# KiCad board poly_kb_molecule_16x5.kicad_pcb (continued)
## Routing (per net, layer and track width the routed paths; a pad name or vN(x,y) marks a point on that pad's centre or on a via; arc(x,y) is an arc through that point) (continued)
  Bottom w1.5: J6#53.3 J5#12.3 ; J6#43.3 J5#7.3 ; J6#55.3 J5#11.3 ; J6#49.3 J5#78.3 ; J6#4.3 J5#51.3 ; J6#54.3 J5#20.3 ; J6#72.3 J5#62.3 ; J6#48.3 J5#31.3 ; J6#62.3 J5#68.3 ; J6#14.3 J5#42.3 ; J6#32.3 J5#19.3 ; J6#12.3 J5#80.3 ; J6#25.3 J5#48.3 ; J6#57.3 J5#6.3 ; J6#66.3 J5#28.3 ; J6#52.3 J5#58.3 ; J6#31.3 J5#22.3 ; J6#10.3 J5#66.3 ; J6#44.3 J5#56.3 ; J6#19.3 J5#43.3 ; J6#35.3 J5#61.3 ; J6#68.3 J5#76.3 ; J6#60.3 J5#52.3 ; J6#69.3 J5#13.3 ; J6#67.3 J5#16.3 ; J6#73.3 J5#30.3 ; J6#22.3 J5#47.3 ; J6#23.3 J5#29.3 ; J6#28.3 J5#10.3 ; J6#33.3 J5#18.3 ; J6#58.3 J5#55.3 ; J6#27.3 J5#23.3 ; J6#61.3 J5#14.3 ; J6#17.3 J5#70.3 ; J6#29.3 J5#41.3 ; J6#59.3 J5#21.3 ; J6#16.3 J5#2.3 ; J6#40.3 J5#73.3 ; J6#2.3 J5#24.3 ; J6#74.3 J5#77.3 ; J6#51.3 J5#50.3 ; J6#37.3 J5#79.3 ; J6#46.3 J5#39.3 ; J6#65.3 J5#32.3 ; J6#64.3 J5#15.3 ; J6#38.3 J5#45.3 ; J6#11.3 J5#26.3 ; J6#30.3 J5#59.3 ; J6#70.3 J5#27.3 ; J6#36.3 J5#17.3 ; J6#26.3 J5#46.3 ; J6.3 J5#65.3 ; J6#42.3 J5#64.3 ; J6#45.3 J5#36.3 ; J6#6.3 J5#3.3 ; J6#63.3 J5#71.3 ; J6#7.3 J5#35.3 ; J6#5.3 J5#60.3 ; J6#20.3 J5#8.3 ; J6#24.3 J5#63.3 ; J6#39.3 J5#49.3 ; J6#3.3 J5#69.3 ; J6#75.3 J5#38.3 ; J6#41.3 J5#75.3 ; J6#50.3 J5#54.3 ; J6#47.3 J5#37.3 ; J6#13.3 J5#44.3 ; J6#18.3 J5#74.3 ; J6#56.3 J5#9.3 ; J6#71.3 J5#33.3
CS3: length 1522.6
  Top w0.254: v1(116.87,11.71) 117.37,12.21 120.26,12.21 120.35,12.3 122.27,12.3 123.4,11.16 124.97,11.16 125.46,10.67 129.87,10.67 v1(130.2,11) ; v1(97.82,87.91) 98.32,88.41 101.21,88.41 101.3,88.5 103.22,88.5 104.35,87.36 105.92,87.36 106.41,86.87 110.82,86.87 v1(111.15,87.2) ; v1(206.4,68.15) 206.07,67.82 201.66,67.82 201.17,68.31 199.6,68.31 198.47,69.45 196.55,69.45 196.46,69.36 193.57,69.36 v1(193.07,68.86) ; v1(301.65,11) 301.32,10.67 296.91,10.67 296.42,11.16 294.85,11.16 293.72,12.3 291.8,12.3 291.71,12.21 288.82,12.21 v1(288.32,11.71) ; v1(59.72,49.81) 60.22,50.31 63.11,50.31 63.2,50.4 65.12,50.4 66.25,49.26 67.82,49.26 68.31,48.77 72.72,48.77 v1(73.05,49.1) ; v1(116.87,30.76) 117.37,31.26 120.26,31.26 120.35,31.35 122.27,31.35 123.4,30.21 124.97,30.21 125.46,29.72 129.87,29.72 v1(130.2,30.05) ; v1(59.72,87.91) 60.22,88.41 63.11,88.41 63.2,88.5 65.12,88.5 66.25,87.36 67.82,87.36 68.31,86.87 72.72,86.87 v1(73.05,87.2) ; v1(154.97,11.71) 155.47,12.21 158.36,12.21 158.45,12.3 160.37,12.3 161.5,11.16 163.07,11.16 163.56,10.67 167.97,10.67 v1(168.3,11) ; v1(206.4,49.1) 206.07,48.77 201.66,48.77 201.17,49.26 199.6,49.26 198.47,50.4 196.55,50.4 196.46,50.31 193.57,50.31 v1(193.07,49.81) ; v1(288.32,30.76) 288.82,31.26 291.71,31.26 291.8,31.35 293.72,31.35 294.85,30.21 296.42,30.21 296.91,29.72 301.32,29.72 v1(301.65,30.05) ; v1(174.02,87.91) 174.52,88.41 177.41,88.41 177.5,88.5 179.42,88.5 180.55,87.36 182.12,87.36 182.61,86.87 187.02,86.87 v1(187.35,87.2) ; v1(206.4,11) 206.07,10.67 201.66,10.67 201.17,11.16 199.6,11.16 198.47,12.3 196.55,12.3 196.46,12.21 193.57,12.21 v1(193.07,11.71) ; v1(15.9,49.1) 15.57,48.77 11.16,48.77 10.67,49.26 9.1,49.26 7.97,50.4 6.05,50.4 5.96,50.31 3.07,50.31 v1(2.57,49.81) ; v1(168.3,30.05) 167.97,29.72 163.56,29.72 163.07,30.21 161.5,30.21 160.37,31.35 158.45,31.35 158.36,31.26 155.47,31.26 v1(154.97,30.76) ; v1(34.95,87.2) 34.62,86.87 30.21,86.87 29.72,87.36 28.15,87.36 27.02,88.5 25.1,88.5 25.01,88.41 22.12,88.41 v1(21.62,87.91) ; v1(250.22,49.81) 250.72,50.31 253.61,50.31 253.7,50.4 255.62,50.4 256.75,49.26 258.32,49.26 258.81,48.77 263.22,48.77 v1(263.55,49.1) ; v1(250.22,30.76) 250.72,31.26 253.61,31.26 253.7,31.35 255.62,31.35 256.75,30.21 258.32,30.21 258.81,29.72 263.22,29.72 v1(263.55,30.05) ; v1(231.17,30.76) 231.67,31.26 234.56,31.26 234.65,31.35 236.57,31.35 237.7,30.21 239.27,30.21 239.76,29.72 244.17,29.72 v1(244.5,30.05) ; v1(225.45,87.2) 225.12,86.87 220.71,86.87 220.22,87.36 218.65,87.36 217.52,88.5 215.6,88.5 215.51,88.41 212.62,88.41 v1(212.12,87.91) ; v1(34.95,49.1) 34.62,48.77 30.21,48.77 29.72,49.26 28.15,49.26 27.02,50.4 25.1,50.4 25.01,50.31 22.12,50.31 v1(21.62,49.81) ; v1(15.9,68.15) 15.57,67.82 11.16,67.82 10.67,68.31 9.1,68.31 7.97,69.45 6.05,69.45 5.96,69.36 3.07,69.36 v1(2.57,68.86) ; v1(269.27,68.86) 269.77,69.36 272.66,69.36 272.75,69.45 274.67,69.45 275.8,68.31 277.37,68.31 277.86,67.82 282.27,67.82 v1(282.6,68.15) ; v1(34.95,68.15) 34.62,67.82 30.21,67.82 29.72,68.31 28.15,68.31 27.02,69.45 25.1,69.45 25.01,69.36 22.12,69.36 v1(21.62,68.86) ; v1(212.12,11.71) 212.62,12.21 215.51,12.21 215.6,12.3 217.52,12.3 218.65,11.16 220.22,11.16 220.71,10.67 225.12,10.67 v1(225.45,11) ; v1(187.35,11) 187.02,10.67 182.61,10.67 182.12,11.16 180.55,11.16 179.42,12.3 177.5,12.3 177.41,12.21 174.52,12.21 v1(174.02,11.71) ; v1(263.55,68.15) 263.22,67.82 258.81,67.82 258.32,68.31 256.75,68.31 255.62,69.45 253.7,69.45 253.61,69.36 250.72,69.36 v1(250.22,68.86) ; v1(301.65,49.1) 301.32,48.77 296.91,48.77 296.42,49.26 294.85,49.26 293.72,50.4 291.8,50.4 291.71,50.31 288.82,50.31 v1(288.32,49.81) ; v1(231.17,11.71) 231.67,12.21 234.56,12.21 234.65,12.3 236.57,12.3 237.7,11.16 239.27,11.16 239.76,10.67 244.17,10.67 v1(244.5,11) ; v1(212.12,68.86) 212.62,69.36 215.51,69.36 215.6,69.45 217.52,69.45 218.65,68.31 220.22,68.31 220.71,67.82 225.12,67.82 v1(225.45,68.15) ; v1(130.2,87.2) 129.87,86.87 125.46,86.87 124.97,87.36 123.4,87.36 122.27,88.5 120.35,88.5 120.26,88.41 117.37,88.41 v1(116.87,87.91) ; v1(288.32,87.91) 288.82,88.41 291.71,88.41 291.8,88.5 293.72,88.5 294.85,87.36 296.42,87.36 296.91,86.87 301.32,86.87 v1(301.65,87.2) ; v1(40.67,30.76) 41.17,31.26 44.06,31.26 44.15,31.35 46.07,31.35 47.2,30.21 48.77,30.21 49.26,29.72 53.67,29.72 v1(54,30.05) ; v1(116.87,49.81) 117.37,50.31 120.26,50.31 120.35,50.4 122.27,50.4 123.4,49.26 124.97,49.26 125.46,48.77 129.87,48.77 v1(130.2,49.1) ; v1(206.4,30.05) 206.07,29.72 201.66,29.72 201.17,30.21 199.6,30.21 198.47,31.35 196.55,31.35 196.46,31.26 193.57,31.26 v1(193.07,30.76) ; v1(54,11) 53.67,10.67 49.26,10.67 48.77,11.16 47.2,11.16 46.07,12.3 44.15,12.3 44.06,12.21 41.17,12.21 v1(40.67,11.71) ; v1(73.05,11) 72.72,10.67 68.31,10.67 67.82,11.16 66.25,11.16 65.12,12.3 63.2,12.3 63.11,12.21 60.22,12.21 v1(59.72,11.71) ; v1(174.02,30.76) 174.52,31.26 177.41,31.26 177.5,31.35 179.42,31.35 180.55,30.21 182.12,30.21 182.61,29.72 187.02,29.72 v1(187.35,30.05) ; v1(282.6,11) 282.27,10.67 277.86,10.67 277.37,11.16 275.8,11.16 274.67,12.3 272.75,12.3 272.66,12.21 269.77,12.21 v1(269.27,11.71) ; v1(301.65,68.15) 301.32,67.82 296.91,67.82 296.42,68.31 294.85,68.31 293.72,69.45 291.8,69.45 291.71,69.36 288.82,69.36 v1(288.32,68.86) ; v1(40.67,68.86) 41.17,69.36 44.06,69.36 44.15,69.45 46.07,69.45 47.2,68.31 48.77,68.31 49.26,67.82 53.67,67.82 v1(54,68.15) ; v1(168.3,87.2) 167.97,86.87 163.56,86.87 163.07,87.36 161.5,87.36 160.37,88.5 158.45,88.5 158.36,88.41 155.47,88.41 v1(154.97,87.91) ; v1(269.27,49.81) 269.77,50.31 272.66,50.31 272.75,50.4 274.67,50.4 275.8,49.26 277.37,49.26 277.86,48.77 282.27,48.77 v1(282.6,49.1) ; v1(111.15,11) 110.82,10.67 106.41,10.67 105.92,11.16 104.35,11.16 103.22,12.3 101.3,12.3 101.21,12.21 98.32,12.21 v1(97.82,11.71) ; v1(269.27,30.76) 269.77,31.26 272.66,31.26 272.75,31.35 274.67,31.35 275.8,30.21 277.37,30.21 277.86,29.72 282.27,29.72 v1(282.6,30.05) ; v1(206.4,87.2) 206.07,86.87 201.66,86.87 201.17,87.36 199.6,87.36 198.47,88.5 196.55,88.5 196.46,88.41 193.57,88.41 v1(193.07,87.91) ; v1(111.15,30.05) 110.82,29.72 106.41,29.72 105.92,30.21 104.35,30.21 103.22,31.35 101.3,31.35 101.21,31.26 98.32,31.26 v1(97.82,30.76) ; v1(97.82,68.86) 98.32,69.36 101.21,69.36 101.3,69.45 103.22,69.45 104.35,68.31 105.92,68.31 106.41,67.82 110.82,67.82 v1(111.15,68.15) ; v1(92.1,30.05) 91.77,29.72 87.36,29.72 86.87,30.21 85.3,30.21 84.17,31.35 82.25,31.35 82.16,31.26 79.27,31.26 v1(78.77,30.76) ; v1(174.02,68.86) 174.52,69.36 177.41,69.36 177.5,69.45 179.42,69.45 180.55,68.31 182.12,68.31 182.61,67.82 187.02,67.82 v1(187.35,68.15) ; v1(174.02,49.81) 174.52,50.31 177.41,50.31 177.5,50.4 179.42,50.4 180.55,49.26 182.12,49.26 182.61,48.77 187.02,48.77 v1(187.35,49.1) ; v1(269.27,87.91) 269.77,88.41 272.66,88.41 272.75,88.5 274.67,88.5 275.8,87.36 277.37,87.36 277.86,86.87 282.27,86.87 v1(282.6,87.2) ; v1(78.77,49.81) 79.27,50.31 82.16,50.31 82.25,50.4 84.17,50.4 85.3,49.26 86.87,49.26 87.36,48.77 91.77,48.77 v1(92.1,49.1) ; v1(78.77,87.91) 79.27,88.41 82.16,88.41 82.25,88.5 84.17,88.5 85.3,87.36 86.87,87.36 87.36,86.87 91.77,86.87 v1(92.1,87.2) ; v1(73.05,30.05) 72.72,29.72 68.31,29.72 67.82,30.21 66.25,30.21 65.12,31.35 63.2,31.35 63.11,31.26 60.22,31.26 v1(59.72,30.76) ; v1(40.67,87.91) 41.17,88.41 44.06,88.41 44.15,88.5 46.07,88.5 47.2,87.36 48.77,87.36 49.26,86.87 53.67,86.87 v1(54,87.2) ; v1(225.45,30.05) 225.12,29.72 220.71,29.72 220.22,30.21 218.65,30.21 217.52,31.35 215.6,31.35 215.51,31.26 212.62,31.26 v1(212.12,30.76) ; v1(34.95,30.05) 34.62,29.72 30.21,29.72 29.72,30.21 28.15,30.21 27.02,31.35 25.1,31.35 25.01,31.26 22.12,31.26 v1(21.62,30.76) ; v1(73.05,68.15) 72.72,67.82 68.31,67.82 67.82,68.31 66.25,68.31 65.12,69.45 63.2,69.45 63.11,69.36 60.22,69.36 v1(59.72,68.86) ; v1(78.77,68.86) 79.27,69.36 82.16,69.36 82.25,69.45 84.17,69.45 85.3,68.31 86.87,68.31 87.36,67.82 91.77,67.82 v1(92.1,68.15) ; v1(2.57,11.71) 3.07,12.21 5.96,12.21 6.05,12.3 7.97,12.3 9.1,11.16 10.67,11.16 11.16,10.67 15.57,10.67 v1(15.9,11) ; v1(15.9,87.2) 15.57,86.87 11.16,86.87 10.67,87.36 9.1,87.36 7.97,88.5 6.05,88.5 5.96,88.41 3.07,88.41 v1(2.57,87.91) ; v1(168.3,49.1) 167.97,48.77 163.56,48.77 163.07,49.26 161.5,49.26 160.37,50.4 158.45,50.4 158.36,50.31 155.47,50.31 v1(154.97,49.81) ; v1(231.17,49.81) 231.67,50.31 234.56,50.31 234.65,50.4 236.57,50.4 237.7,49.26 239.27,49.26 239.76,48.77 244.17,48.77 v1(244.5,49.1) ; v1(21.62,11.71) 22.12,12.21 25.01,12.21 25.1,12.3 27.02,12.3 28.15,11.16 29.72,11.16 30.21,10.67 34.62,10.67 v1(34.95,11) ; v1(154.97,68.86) 155.47,69.36 158.36,69.36 158.45,69.45 160.37,69.45 161.5,68.31 163.07,68.31 163.56,67.82 167.97,67.82 v1(168.3,68.15) ; v1(225.45,49.1) 225.12,48.77 220.71,48.77 220.22,49.26 218.65,49.26 217.52,50.4 215.6,50.4 215.51,50.31 212.62,50.31 v1(212.12,49.81) ; v1(15.9,30.05) 15.57,29.72 11.16,29.72 10.67,30.21 9.1,30.21 7.97,31.35 6.05,31.35 5.96,31.26 3.07,31.26 v1(2.57,30.76) ; v1(130.2,68.15) 129.87,67.82 125.46,67.82 124.97,68.31 123.4,68.31 122.27,69.45 120.35,69.45 120.26,69.36 117.37,69.36 v1(116.87,68.86) ; v1(97.82,49.81) 98.32,50.31 101.21,50.31 101.3,50.4 103.22,50.4 104.35,49.26 105.92,49.26 106.41,48.77 110.82,48.77 v1(111.15,49.1) ; v1(54,49.1) 53.67,48.77 49.26,48.77 48.77,49.26 47.2,49.26 46.07,50.4 44.15,50.4 44.06,50.31 41.17,50.31 v1(40.67,49.81) ; v1(250.22,11.71) 250.72,12.21 253.61,12.21 253.7,12.3 255.62,12.3 256.75,11.16 258.32,11.16 258.81,10.67 263.22,10.67 v1(263.55,11) ; v1(231.17,68.86) 231.67,69.36 234.56,69.36 234.65,69.45 236.57,69.45 237.7,68.31 239.27,68.31 239.76,67.82 244.17,67.82 v1(244.5,68.15) ; v1(263.55,87.2) 263.22,86.87 258.81,86.87 258.32,87.36 256.75,87.36 255.62,88.5 253.7,88.5 253.61,88.41 250.72,88.41 v1(250.22,87.91) ; v1(92.1,11) 91.77,10.67 87.36,10.67 86.87,11.16 85.3,11.16 84.17,12.3 82.25,12.3 82.16,12.21 79.27,12.21 v1(78.77,11.71) ; v1(244.5,87.2) 244.17,86.87 239.76,86.87 239.27,87.36 237.7,87.36 236.57,88.5 234.65,88.5 234.56,88.41 231.67,88.41 v1(231.17,87.91)
  Bottom w0.254: v1(206.4,49.1) 207.75,49.1 208.28,49.62 ; v1(174.02,87.91) 173.83,87.91 173.58,88.15 172.4,88.15 J5#43.4 ; 246.38,49.62 245.85,49.1 v1(244.5,49.1) ; J5#75.4 210.5,69.1 211.68,69.1 211.93,68.86 v1(212.12,68.86) ; 74.93,68.67 74.4,68.15 v1(73.05,68.15) ; 227.33,11.53 226.8,11 v1(225.45,11) ; J5#8.4 20,50.05 21.18,50.05 21.43,49.81 v1(21.62,49.81) ; v1(21.62,68.86) 21.43,68.86 21.18,69.1 20,69.1 J5#38.4 ; J5#80.4 191.45,50.05 192.63,50.05 192.88,49.81 v1(193.07,49.81) ; 189.23,68.67 188.7,68.15 v1(187.35,68.15) ; v1(59.72,11.71) 59.53,11.71 59.28,11.95 58.1,11.95 J5#9.4 ; v1(301.65,49.1) 303,49.1 303.53,49.62 ; v1(92.1,87.2) 93.45,87.2 93.98,87.72 ; v1(54,49.1) 55.35,49.1 55.88,49.62 ; v1(40.67,68.86) 40.48,68.86 40.23,69.1 39.05,69.1 J5#69.4 ; J5#11.4 77.15,11.95 78.33,11.95 78.58,11.71 v1(78.77,11.71) ; 265.43,68.67 264.9,68.15 v1(263.55,68.15) ; v1(168.3,87.2) 169.65,87.2 170.18,87.72 ; v1(97.82,30.76) 97.63,30.76 97.38,31 96.2,31 J5#30.4 ; v1(250.22,49.81) 250.03,49.81 249.78,50.05 248.6,50.05 J5#49.4 ; 284.48,11.53 283.95,11 v1(282.6,11) ; J5#36.4 248.6,69.1 249.78,69.1 250.03,68.86 v1(250.22,68.86) ; v1(97.82,11.71) 97.63,11.71 97.38,11.95 96.2,11.95 J5#12.4 ; v1(59.72,87.91) 59.53,87.91 59.28,88.15 58.1,88.15 J5#56.4 ; 55.88,11.53 55.35,11 v1(54,11) ; 132.08,68.67 131.55,68.15 v1(130.2,68.15) ; 113.03,68.67 112.5,68.15 v1(111.15,68.15) ; v1(187.35,49.1) 188.7,49.1 189.23,49.62 ; J5#44.4 172.4,50.05 173.58,50.05 173.83,49.81 v1(174.02,49.81) ; v1(263.55,87.2) 264.9,87.2 265.43,87.72 ; v1(212.12,11.71) 211.93,11.71 211.68,11.95 210.5,11.95 J5#42.4 ; 17.78,87.72 17.25,87.2 v1(15.9,87.2) ; v1(111.15,30.05) 112.5,30.05 113.03,30.58 ; v1(174.02,68.86) 173.83,68.86 173.58,69.1 172.4,69.1 J5#60.4 ; J5#41.4 248.6,31 249.78,31 250.03,30.76 v1(250.22,30.76) ; v1(130.2,30.05) 131.55,30.05 132.08,30.58 ; v1(282.6,68.15) 283.95,68.15 284.48,68.67 ; 17.78,11.53 17.25,11 v1(15.9,11) ; 36.83,30.58 36.3,30.05 v1(34.95,30.05) ; v1(154.97,30.76) 154.78,30.76 154.53,31 153.35,31 J5#4.4 ; v1(78.77,30.76) 78.58,30.76 78.33,31 77.15,31 J5#23.4 ; v1(111.15,87.2) 112.5,87.2 113.03,87.72 ; v1(54,68.15) 55.35,68.15 55.88,68.67 ; v1(250.22,87.91) 250.03,87.91 249.78,88.15 248.6,88.15 J5#58.4 ; v1(168.3,68.15) 169.65,68.15 170.18,68.67 ; v1(40.67,30.76) 40.48,30.76 40.23,31 39.05,31 J5#77.4 ; 265.43,30.58 264.9,30.05 v1(263.55,30.05) ; 284.48,30.58 283.95,30.05 v1(282.6,30.05) ; J5#29.4 77.15,69.1 78.33,69.1 78.58,68.86 v1(78.77,68.86) ; J5#13.4 267.65,11.95 268.83,11.95 269.08,11.71 v1(269.27,11.71) ; v1(288.32,30.76) 288.13,30.76 287.88,31 286.7,31 J5#7.4 ; v1(187.35,30.05) 188.7,30.05 189.23,30.58 ; v1(15.9,30.05) 17.25,30.05 17.78,30.58 ; v1(288.32,11.71) 288.13,11.71 287.88,11.95 286.7,11.95 J5#16.4 ; v1(97.82,49.81) 97.63,49.81 97.38,50.05 96.2,50.05 J5#28.4 ; J5#55.4 210.5,31 211.68,31 211.93,30.76 v1(212.12,30.76) ; v1(2.57,49.81) 2.38,49.81 2.13,50.05 0.95,50.05 J5#67.4 ; v1(116.87,49.81) 116.68,49.81 116.43,50.05 115.25,50.05 J5#18.4 ; v1(2.57,11.71) 2.38,11.71 2.13,11.95 0.95,11.95 J5#40.4 ; v1(154.97,49.81) 154.78,49.81 154.53,50.05 153.35,50.05 J5#72.4 ; v1(231.17,49.81) 230.98,49.81 230.73,50.05 229.55,50.05 J5#2.4 ; v1(288.32,68.86) 288.13,68.86 287.88,69.1 286.7,69.1 J5#70.4 ; 93.98,68.67 93.45,68.15 v1(92.1,68.15) ; J5#33.4 286.7,50.05 287.88,50.05 288.13,49.81 v1(288.32,49.81) ; 265.43,11.53 264.9,11 v1(263.55,11) ; v1(40.67,87.91) 40.48,87.91 40.23,88.15 39.05,88.15 J5#3.4 ; v1(187.35,11) 188.7,11 189.23,11.53 ; J5#21.4 58.1,69.1 59.28,69.1 59.53,68.86 v1(59.72,68.86) ; 227.33,68.67 226.8,68.15 v1(225.45,68.15) ; v1(97.82,68.86) 97.63,68.86 97.38,69.1 96.2,69.1 J5#48.4 ; v1(282.6,87.2) 283.95,87.2 284.48,87.72 ; 74.93,87.72 74.4,87.2 v1(73.05,87.2) ; v1(78.77,87.91) 78.58,87.91 78.33,88.15 77.15,88.15 J5#22.4 ; v1(111.15,49.1) 112.5,49.1 113.03,49.62 ; v1(2.57,68.86) 2.38,68.86 2.13,69.1 0.95,69.1 J5#53.4 ; 17.78,68.67 17.25,68.15 v1(15.9,68.15) ; v1(231.17,68.86) 230.98,68.86 230.73,69.1 229.55,69.1 J5#59.4 ; v1(154.97,87.91) 154.78,87.91 154.53,88.15 153.35,88.15 J5#34.4 ; J5#24.4 267.65,31 268.83,31 269.08,30.76 v1(269.27,30.76) ; 93.98,11.53 93.45,11 v1(92.1,11) ; 36.83,49.62 36.3,49.1 v1(34.95,49.1) ; v1(174.02,30.76) 173.83,30.76 173.58,31 172.4,31 J5#19.4 ; v1(250.22,11.71) 250.03,11.71 249.78,11.95 248.6,11.95 J5#17.4 ; 227.33,30.58 226.8,30.05 v1(225.45,30.05) ; J5#50.4 77.15,50.05 78.33,50.05 78.58,49.81 v1(78.77,49.81) ; v1(92.1,30.05) 93.45,30.05 93.98,30.58 ; 36.83,87.72 36.3,87.2 v1(34.95,87.2) ; J5#54.4 229.55,88.15 230.73,88.15 230.98,87.91 v1(231.17,87.91) ; v1(168.3,11) 169.65,11 170.18,11.53 ; 74.93,49.62 74.4,49.1 v1(73.05,49.1) ; v1(54,87.2) 55.35,87.2 55.88,87.72 ; v1(206.4,68.15) 207.75,68.15 208.28,68.67 ; J5#26.4 191.45,88.15 192.63,88.15 192.88,87.91 v1(193.07,87.91) ; v1(212.12,49.81) 211.93,49.81 211.68,50.05 210.5,50.05 J5#79.4 ; v1(244.5,30.05) 245.85,30.05 246.38,30.58 ; 170.18,49.62 169.65,49.1 v1(168.3,49.1) ; 265.43,49.62 264.9,49.1 v1(263.55,49.1) ; v1(269.27,49.81) 269.08,49.81 268.83,50.05 267.65,50.05 J5#47.4 ; 132.08,11.53 131.55,11 v1(130.2,11) ; v1(301.65,68.15) 303,68.15 303.53,68.67 ; v1(231.17,30.76) 230.98,30.76 230.73,31 229.55,31 J5#10.4 ; J5#62.4 115.25,31 116.43,31 116.68,30.76 v1(116.87,30.76) ; v1(130.2,49.1) 131.55,49.1 132.08,49.62 ; J5#35.4 172.4,11.95 173.58,11.95 173.83,11.71 v1(174.02,11.71) ; v1(97.82,87.91) 97.63,87.91 97.38,88.15 96.2,88.15 J5#46.4 ; v1(301.65,11) 303,11 303.53,11.53 ; 189.23,87.72 188.7,87.2 v1(187.35,87.2) ; v1(244.5,87.2) 245.85,87.2 246.38,87.72 ; 246.38,68.67 245.85,68.15 v1(244.5,68.15) ; J5#66.4 115.25,11.95 116.43,11.95 116.68,11.71 v1(116.87,11.71) ; v1(282.6,49.1) 283.95,49.1 284.48,49.62 ; 303.53,87.72 303,87.2 v1(301.65,87.2) ; v1(130.2,87.2) 131.55,87.2 132.08,87.72 ; v1(116.87,68.86) 116.68,68.86 116.43,69.1 115.25,69.1 J5#51.4 ; v1(206.4,87.2) 207.75,87.2 208.28,87.72 ; v1(21.62,30.76) 21.43,30.76 21.18,31 20,31 J5#63.4 ; v1(231.17,11.71) 230.98,11.71 230.73,11.95 229.55,11.95 J5#14.4 ; J5#6.4 58.1,31 59.28,31 59.53,30.76 v1(59.72,30.76) ; v1(116.87,87.91) 116.68,87.91 116.43,88.15 115.25,88.15 J5#39.4 ; 93.98,49.62 93.45,49.1 v1(92.1,49.1) ; 303.53,30.58 303,30.05 v1(301.65,30.05) ; 113.03,11.53 112.5,11 v1(111.15,11) ; 17.78,49.62 17.25,49.1 v1(15.9,49.1) ; v1(2.57,30.76) 2.38,30.76 2.13,31 0.95,31 J5#5.4 ; v1(193.07,11.71) 192.88,11.71 192.63,11.95 191.45,11.95 J5#37.4 ; v1(21.62,87.91) 21.43,87.91 21.18,88.15 20,88.15 J5#65.4 ; v1(269.27,87.91) 269.08,87.91 268.83,88.15 267.65,88.15 J5#68.4 ; v1(59.72,49.81) 59.53,49.81 59.28,50.05 58.1,50.05 J5#61.4 ; v1(34.95,11) 36.3,11 36.83,11.53 ; J5#57.4 153.35,11.95 154.53,11.95 154.78,11.71 v1(154.97,11.71) ; J5#25.4 153.35,69.1 154.53,69.1 154.78,68.86 v1(154.97,68.86) ; v1(40.67,49.81) 40.48,49.81 40.23,50.05 39.05,50.05 J5#31.4 ; 208.28,11.53 207.75,11 v1(206.4,11) ; 227.33,87.72 226.8,87.2 v1(225.45,87.2) ; v1(34.95,68.15) 36.3,68.15 36.83,68.67 ; v1(54,30.05) 55.35,30.05 55.88,30.58 ; J5#32.4 20,11.95 21.18,11.95 21.43,11.71 v1(21.62,11.71) ; 208.28,30.58 207.75,30.05 v1(206.4,30.05) ; v1(168.3,30.05) 169.65,30.05 170.18,30.58 ; J5#78.4 286.7,88.15 287.88,88.15 288.13,87.91 v1(288.32,87.91) ; 74.93,11.53 74.4,11 v1(73.05,11) ; v1(2.57,87.91) 2.38,87.91 2.13,88.15 0.95,88.15 J5.4 ; v1(40.67,11.71) 40.48,11.71 40.23,11.95 39.05,11.95 J5#71.4 ; v1(193.07,30.76) 192.88,30.76 192.63,31 191.45,31 J5#45.4 ; v1(244.5,11) 245.85,11 246.38,11.53 ; J5#20.4 210.5,88.15 211.68,88.15 211.93,87.91 v1(212.12,87.91) ; v1(269.27,68.86) 269.08,68.86 268.83,69.1 267.65,69.1 J5#64.4 ; v1(225.45,49.1) 226.8,49.1 227.33,49.62 ; J5#15.4 191.45,69.1 192.63,69.1 192.88,68.86 v1(193.07,68.86) ; 74.93,30.58 74.4,30.05 v1(73.05,30.05)
  Bottom w0.3: 192.3,69.14 192.27,69.17 ; 287.55,11.99 287.52,12.03 ; 154.2,31.04 154.17,31.08 ; 230.4,88.19 230.37,88.22 ; 97.05,88.19 97.02,88.22 ; 230.4,50.09 230.37,50.12 ; 173.25,11.99 173.22,12.03 ; 78,31.04 77.97,31.08 ; 173.25,88.19 173.22,88.22 ; 39.9,11.99 39.87,12.03 ; 211.35,88.19 211.32,88.22 ; 249.45,50.09 249.42,50.12 ; 78,11.99 77.97,12.03 ; 1.8,88.19 1.77,88.22 ; 192.3,50.09 192.27,50.12 ; 287.55,50.09 287.52,50.12 ; 287.55,88.19 287.52,88.22 ; 154.2,88.19 154.17,88.22 ; 39.9,50.09 39.87,50.12 ; 116.1,69.14 116.07,69.17 ; 78,69.14 77.97,69.17 ; 230.4,69.14 230.37,69.17 ; 20.85,69.14 20.82,69.17 ; 116.1,88.19 116.07,88.22 ; 1.8,31.04 1.77,31.08 ; 135.15,50.09 135.12,50.12 ; 154.2,11.99 154.17,12.03 ; 78,50.09 77.97,50.12 ; 39.9,31.04 39.87,31.08 ; 249.45,69.14 249.42,69.17 ; 211.35,69.14 211.32,69.17 ; 1.8,50.09 1.77,50.12 ; 58.95,11.99 58.92,12.03 ; 20.85,11.99 20.82,12.03 ; 97.05,31.04 97.02,31.08 ; 268.5,50.09 268.47,50.12 ; 268.5,31.04 268.47,31.08 ; 173.25,31.04 173.22,31.08 ; 249.45,31.04 249.42,31.08 ; 135.15,88.19 135.12,88.22 ; 20.85,88.19 20.82,88.22 ; 154.2,69.14 154.17,69.17 ; 58.95,50.09 58.92,50.12 ; 116.1,11.99 116.07,12.03 ; 211.35,31.04 211.32,31.08 ; 97.05,11.99 97.02,12.03 ; 173.25,69.14 173.22,69.17 ; 78,88.19 77.97,88.22 ; 135.15,31.04 135.12,31.08 ; 20.85,31.04 20.82,31.08 ; 1.8,11.99 1.77,12.03 ; 20.85,50.09 20.82,50.12 ; 287.55,69.14 287.52,69.17 ; 154.2,50.09 154.17,50.12 ; 135.15,11.99 135.12,12.03 ; 39.9,88.19 39.87,88.22 ; 39.9,69.14 39.87,69.17 ; 97.05,50.09 97.02,50.12 ; 230.4,31.04 230.37,31.08 ; 192.3,11.99 192.27,12.03 ; 58.95,88.19 58.92,88.22 ; 249.45,88.19 249.42,88.22 ; 211.35,50.09 211.32,50.12 ; 211.35,11.99 211.32,12.03 ; 1.8,69.14 1.77,69.17 ; 116.1,50.09 116.07,50.12 ; 287.55,31.04 287.52,31.08 ; 58.95,69.14 58.92,69.17 ; 268.5,88.19 268.47,88.22 ; 58.95,31.04 58.92,31.08 ; 116.1,31.04 116.07,31.08 ; 135.15,69.14 135.12,69.17 ; 249.45,11.99 249.42,12.03 ; 173.25,50.09 173.22,50.12 ; 268.5,11.99 268.47,12.03 ; 97.05,69.14 97.02,69.17 ; 192.3,88.19 192.27,88.22 ; 192.3,31.04 192.27,31.08 ; 268.5,69.14 268.47,69.17 ; 230.4,11.99 230.37,12.03
  Bottom w1.5: J6#39.4 J5#49.4 ; J6#20.4 J5#8.4 ; J6#58.4 J5#55.4 ; J6#72.4 J5#62.4 ; J6#17.4 J5#70.4 ; J6#47.4 J5#37.4 ; J6#41.4 J5#75.4 ; J6#23.4 J5#29.4 ; J6#56.4 J5#9.4 ; J6#46.4 J5#39.4 ; J6#51.4 J5#50.4 ; J6#30.4 J5#59.4 ; J6#25.4 J5#48.4 ; J6#50.4 J5#54.4 ; J6#75.4 J5#38.4 ; J6#2.4 J5#24.4 ; J6#33.4 J5#18.4 ; J6#3.4 J5#69.4 ; J6#57.4 J5#6.4 ; J6#45.4 J5#36.4 ; J6#40.4 J5#73.4 ; J6#69.4 J5#13.4 ; J6#32.4 J5#19.4 ; J6#62.4 J5#68.4 ; J6#18.4 J5#74.4 ; J6#60.4 J5#52.4 ; J6#43.4 J5#7.4 ; J6#59.4 J5#21.4 ; J6#71.4 J5#33.4 ; J6#61.4 J5#14.4 ; J6#63.4 J5#71.4 ; J6#29.4 J5#41.4 ; J6#64.4 J5#15.4 ; J6#42.4 J5#64.4 ; J6#4.4 J5#51.4 ; J6#55.4 J5#11.4 ; J6#6.4 J5#3.4 ; J6#49.4 J5#78.4 ; J6#31.4 J5#22.4 ; J6#73.4 J5#30.4 ; J6#37.4 J5#79.4 ; J6#22.4 J5#47.4 ; J6#19.4 J5#43.4 ; J6#36.4 J5#17.4 ; J6#65.4 J5#32.4 ; J6#24.4 J5#63.4 ; J6#74.4 J5#77.4 ; J6#14.4 J5#42.4 ; J6#70.4 J5#27.4 ; J6#12.4 J5#80.4 ; J6#48.4 J5#31.4 ; J6#44.4 J5#56.4 ; J6#35.4 J5#61.4 ; J6#10.4 J5#66.4 ; J6#66.4 J5#28.4 ; J6#67.4 J5#16.4 ; J6#54.4 J5#20.4 ; J6.4 J5#65.4 ; J6#38.4 J5#45.4 ; J6#68.4 J5#76.4 ; J6#5.4 J5#60.4 ; J6#26.4 J5#46.4 ; J6#7.4 J5#35.4 ; J6#27.4 J5#23.4 ; J6#53.4 J5#12.4 ; J6#13.4 J5#44.4 ; J6#28.4 J5#10.4 ; J6#16.4 J5#2.4 ; J6#52.4 J5#58.4 ; J6#11.4 J5#26.4
